# KiCad board DQBSCEEEEEE.kicad_pcb (continued)
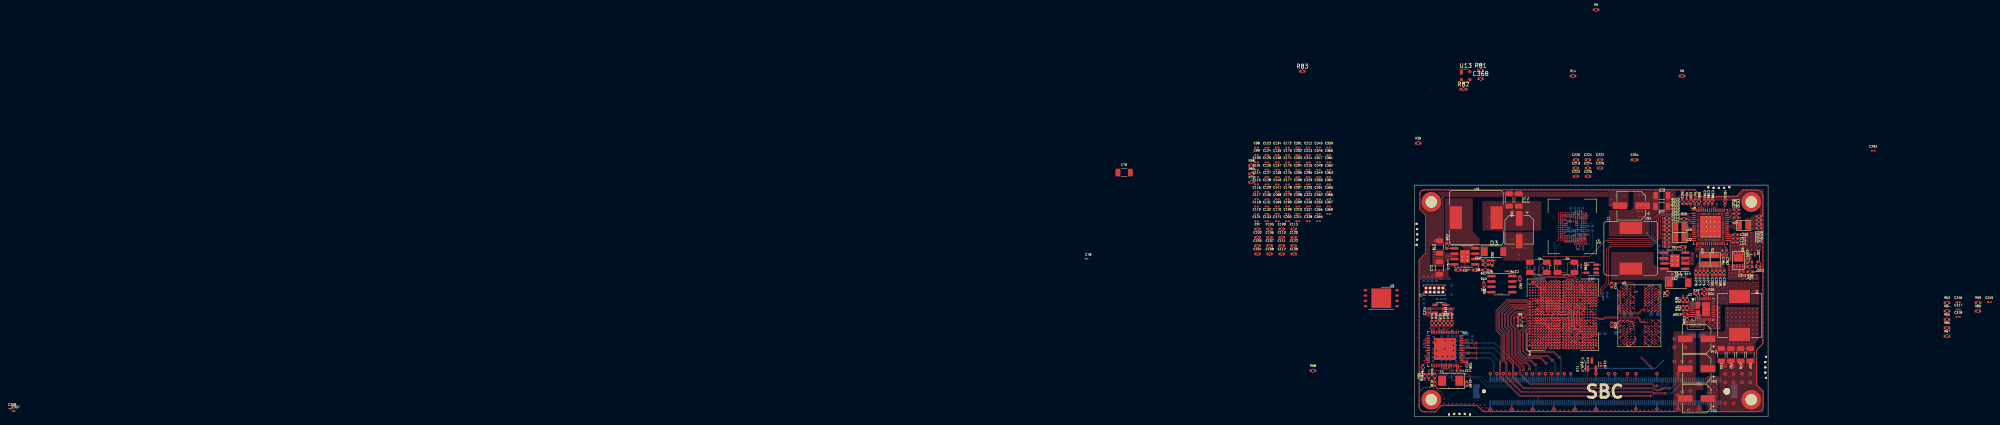
[diagram p0: board, top side]
## Routing (per net, layer and track width the routed paths; a pad name or vN(x,y) marks a point on that pad's centre or on a via; arc(x,y) is an arc through that point) (continued)
  TOP w0.25: U3.U3 v1(50.33,20.06) ; v1(50.25,30.41) 50.33,30.41 U3.B3 ; U3.AA3 v1(50.33,17.46) ; U1.AD21 42.67,29.66 ; U1.AB23 41.37,30.96 ; U1.AC23 42.02,30.96 ; U3.H1 v1(48.73,26.51) ; U8.30 75.77,42.32 C272.1 ; U1.Y12 40.07,23.27 ; U1.AC17 42.02,27.06 ; 40.72,25.76 U1.AA15 40.45,25.49 v1(40.07,25.11) ; U3.AA5 v1(51.93,17.46) ; U1.AB17 41.37,27.06 ; U1.AC14 42.02,25.11 ; U1.AA10 40.72,21.97 ; U1.AB3 41.37,17.42 ; U3.N3 v1(50.33,22.66) ; U3.K1 v1(48.73,25.21) ; U1.Y14 40.07,25.11 ; U3.W1 v1(48.73,18.76) ; U1.AC6 42.02,19.37 ; U1.AB8 41.37,20.67 ; U3.F3 v1(50.33,27.81) ; U3.K3 v1(50.33,25.21) ; U3.N1 v1(48.73,22.66) ; U1.AC20 42.02,29.01 ; U3.AB4 v1(51.13,16.81) ; U3.U10 v1(56.53,20.06) ; U1.AC8 42.02,20.67 ; U3.R5 v1(51.93,21.36) ; U3.R1 v1(48.73,21.36) ; U3.D1 v1(48.73,29.11) ; U1.AC3 42.02,17.42
  BOT w0.25: v3(72.78,36.59) 74.17,36.59 75.08,37.5 v3(75.08,42.32)
  vias: v1(40.07,23.27) v1(40.73,25.76) v1(40.72,21.97) v1(42.02,30.96) v1(42.02,29.01) v1(42.02,27.06) v1(42.02,25.11) v1(42.02,20.67) v1(42.02,17.42) v1(42.68,29.66) v3(70.63,35.39) v3(71.68,35.39) v3(72.78,35.39)
NVCC_ENET_2V5: length 4.8
  TOP w0.1: v3(2.63,17.67) U5.39
  TOP w0.2: U5.22 v3(8.83,20.62) ; U5.44 v3(2.68,15.67) ; U5.58 v3(6.43,11.52) ; U5.28 v3(6.43,20.62)
  TOP w0.25: U1.T18 37.47,27.71
  BOT w0.35: v3(6.43,20.62) 6.45,20.6 C342.1 ; v3(8.83,20.62) 9,20.45 C344.1
  vias: v1(13.48,16.4) v1(14.18,16.98) v1(14.18,16.4) v1(37.48,27.71)
NVCC_SD1_1V8: length 5
  TOP w0.2: v3(39.25,47.03) U4.M4 39.25,47.58 v3(39.15,47.68) 39.25,47.78 U4.N4 ; v3(38.25,43.33) U4.C6 ; U4.P5 v3(38.75,48.83) ; U4.P3 v3(39.75,48.83) ; U1.L23 34.22,30.96 v1(34.33,30.96)
  TOP w0.25: U1.L23 33.68,30.96 ; U1.M23 34.33,30.96
  BOT w0.1: R18.2 38.75,48.89 v3(38.75,48.83)
  BOT w0.2: v3(38.25,43.33) 38.07,43.33 C182.1
  vias: v1(33.68,30.96)
NVCC_SD2: length 0.4
  TOP w0.25: U1.N23 35.52,30.96
  vias: v1(35.52,30.96)
ONOFF: length 5.9
  TOP w0.25: U1.W21 39.42,29.66
  BOT w0.11: v1(39.43,29.66) 39.72,29.37 44.78,29.37 R7.2
PCIE1_REF_CLKM: length 0.4
  TOP w0.25: U1.K24 33.03,31.61
  vias: v1(33.03,31.61)
PCIE1_REF_CLKP: length 0.4
  TOP w0.25: U1.K25 33.03,32.26
  vias: v1(33.03,32.26)
PCIE1_RXM: length 0.4
  TOP w0.25: U1.H24 31.73,31.61
  vias: v1(31.73,31.61)
PCIE1_TXN: length 0.8
  TOP w0.25: U1.E24 29.78,31.61 ; U1.J24 32.38,31.61
  vias: v1(29.78,31.61) v1(32.38,31.61)
PCIE1_TXP: length 0.8
  TOP w0.25: U1.E25 29.78,32.26 ; U1.J25 32.38,32.26
  vias: v1(29.78,32.26) v1(32.38,32.26)
PCIE2_REF_CLKN: length 0.4
  TOP w0.25: U1.F24 30.43,31.61
  vias: v1(30.43,31.61)
PCIE2_REF_CLKP: length 0.4
  TOP w0.25: U1.F25 30.43,32.26
  vias: v1(30.43,32.26)
PCIE2_RXN: length 0.4
  TOP w0.25: U1.D24 29.13,31.61
  vias: v1(29.13,31.61)
PCIE2_RXP: length 1.9
  TOP w0.25: U1.D25 29.13,32.26
  BOT w0.35: J1.B51 v4(43.1,1.8)
  vias: v1(29.13,32.26)
PMIC_nINT: length 26.1
  TOP w0.11: U8.1 66.36,48.29 58.55,48.29 57.4,47.14 57.4,42.64 56.11,41.34 45.86,41.34 45.83,41.31
PMIC_ON_REQ: length 0.4
  TOP w0.25: U1.V20 38.77,29.01
  vias: v1(38.77,29.01)
PMIC_SCL: length 68.1
  TOP w0.11: U8.54 68.08,49.74 67.76,50.06 66.68,50.06 66.58,50.16 R57.2 66.58,50.91 66.43,51.06 66.26,51.06 66.09,51.23 66.09,52.2 65.83,52.46 63.53,52.46 62.88,51.81 62.88,48.96 62.51,48.59 58.46,48.59 56.9,47.04 56.9,42.84 55.91,41.84 45.96,41.84 ; v1(30.65,38.09) 41.65,38.09 45.4,41.84 46.15,41.84
  TOP w0.25: U1.F9 30.43,21.32
  BOT w0.11: v1(30.65,38.09) 29.65,37.09 29.65,33.34 30.14,32.86 30.14,21.85 30.15,21.84 30.15,21.59 30.16,21.59
  vias: v1(30.43,21.32)
PMIC_SDA: length 34.7
  TOP w0.11: 68.01,50.59 R56.2 67.6,50.59 ; 68.01,50.59 68.01,51.89 67.6,52.3 66.7,52.3 66.15,52.85 63.4,52.85 62.58,52.03 62.58,49.11 62.31,48.84 58.36,48.84 56.4,46.89 56.4,42.89 55.86,42.34 46.11,42.34 45.88,42.11 ; 68.01,50.59 68.2,50.39 68.2,49.99 68.58,49.61 U8.53
PMIC_STBY_REQ: length 43.6
  TOP w0.11: 44.5,29.93 46.15,31.59 46.15,39.84 46.65,40.34 56.21,40.34 58.4,42.54 58.4,47.39 58.75,47.74 64.75,47.74 65.67,46.82 U8.4
  TOP w0.25: U1.V21 38.77,29.66
  BOT w0.11: 44.5,29.93 44.47,29.96 39.07,29.96 v1(38.77,29.66)
POR_B: length 46.9
  TOP w0.11: v1(44.83,27.71) 44.83,28.51 44.17,29.17 44.17,30.37 45.65,31.84 45.65,39.84 46.65,40.84 56.21,40.84 57.9,42.54 57.9,47.28 58.67,48.04 64.9,48.04 65.62,47.32 U8.3
  TOP w0.25: U1.W20 39.42,29.01
  BOT w0.11: v1(39.43,29.01) 39.72,28.72 43.97,28.72 44.27,28.42 R8.2 44.83,28.39 v1(44.83,27.71)
QSPIA_CLE: length 0.4
  TOP w0.25: U1.H21 31.73,29.66
  vias: v1(31.73,29.66)
SD1_CMD: length 40.7
  TOP w0.1: U4.M5 v3(38.75,47.03)
  TOP w0.25: U1.L24 33.68,31.61 ; 33.95,31.99 33.68,32.26
  BOT w0.1: 4.14,78.12 3.81,77.79 ; R18.1 37.09,49.09 37.45,48.73 37.45,47.73 37.7,47.48 38.3,47.48 v3(38.75,47.03) 38.75,46.63 38.55,46.43 37.95,46.43 37.15,45.63 37.15,43.81 33.64,40.31 33.64,32.57 33.87,32.34 33.87,31.8 v1(33.68,31.61) ; 35.89,47.83 34.89,47.83 34.65,47.59 34.65,42.59 33.2,41.14 33.2,32.75 v1(33.68,32.26)
SD1_D0: length 0.4
  TOP w0.25: U1.M25 34.33,32.26
  vias: v1(34.33,32.26)
SD1_D1: length 0.4
  TOP w0.25: U1.M24 34.33,31.61
  vias: v1(34.33,31.61)
SD1_D2: length 0.4
  TOP w0.25: U1.N25 35.52,32.26
  vias: v1(35.52,32.26)
SD1_D3: length 0.4
  TOP w0.25: U1.P25 36.17,32.26
  vias: v1(36.18,32.26)
SD1_D4: length 0.4
  TOP w0.25: U1.N24 35.52,31.61
  vias: v1(35.52,31.61)
SD1_D6: length 0.4
  TOP w0.25: U1.R25 36.82,32.26
  vias: v1(36.82,32.26)
SD1_D7: length 0.4
  TOP w0.25: U1.T25 37.47,32.26
  vias: v1(37.48,32.26)
SD1_nRST: length 13.1
  BOT w0.11: R17.2 42.3,40.24 39.66,37.6 39.66,33.58 38.68,32.6
SD1_STROBE: length 4.2
  TOP w0.25: U1.T24 37.47,31.61
  BOT w0.11: R19.1 41.3,43.7 41.65,43.34 41.65,40.59
  vias: v1(37.48,31.61)
SD2_CLK: length 0.4
  TOP w0.25: U1.L22 33.68,30.31
  vias: v1(33.68,30.31)
SD2_CMD: length 0.4
  TOP w0.25: U1.M22 34.33,30.31
  vias: v1(34.33,30.31)
SD2_D0: length 0.4
  TOP w0.25: U1.N22 35.52,30.31
  vias: v1(35.52,30.31)
SD2_D1: length 0.4
  TOP w0.25: U1.N21 35.52,29.66
  vias: v1(35.52,29.66)
SD2_nCD: length 0.4
  TOP w0.25: U1.L21 33.68,29.66
  vias: v1(33.68,29.66)
SD2_WP: length 0.4
  TOP w0.25: U1.M21 34.33,29.66
  vias: v1(34.33,29.66)
SPI1_MISO: length 14.1
  TOP w0.11: U1.B4 v1(27.83,18.07)
  S1 w0.11: 27.83,18.07 22,12.24 22,7.9 21.6,7.5 21.6,6.9
SPI1_MOSI: length 13.9
  TOP w0.11: U1.A4 27.18,18.07
  S1 w0.11: v1(27.18,18.07) 21.7,12.59 21.7,8.1 21.2,7.6 21.2,7
SPI1_SCLK: length 17
  TOP w0.11: U1.D5 29.13,18.72
  TOP w0.25: 28.75,17.69 28.48,17.42 ; 28.1,17.04 27.83,16.77
  S1 w0.11: v1(29.13,18.72) 29.43,18.43 29.43,17.84 29.24,17.66 28.44,17.66 23.5,12.72 23.5,9.2 23.1,8.8 23.1,8.1 22.2,7.2 22.2,6.5
  vias: v1(27.83,16.77) v1(28.48,17.42)
SPI2_MISO: length 14.8
  TOP w0.11: 27.74,18.67 28.07,18.99 U1.B5
  S1 w0.11: 20.24,7.94 20.24,12.04 26.77,18.57 27.65,18.57 27.74,18.67
SPI2_MOSI: length 7.6
  TOP w0.11: U1.E5 29.78,18.72
  TOP w0.25: 30.05,17.69 29.78,17.42 ; 30.05,17.04 29.78,16.77 ; 30.05,18.34 29.78,18.07 ; 30.05,16.39 29.78,16.12
  S1 w0.11: 29.78,17.8 v1(29.78,18.72) 29.78,14.08 29.7,14
  vias: v1(29.78,18.07) v1(29.78,17.42) v1(29.78,16.77) v1(29.78,16.12)
SPI2_SCLK: length 15.8
  TOP w0.11: U1.C5 28.48,18.72
  S1 w0.11: 20.55,7.25 20.55,12.01 26.91,18.37 28.13,18.37 28.48,18.72
SPI2_SSO: length 15.7
  TOP w0.11: U1.A5 27.29,18.99 27.1,18.8
  S1 w0.11: 27.1,18.8 26.5,18.8 19,11.3 19,7.2
TCPC_nINT: length 0.4
  TOP w0.25: U1.F21 30.43,29.66
  vias: v1(30.43,29.66)
UART1_RXD: length 3.8
  TOP w0.11: v1(28.48,20.02) 28.75,20.29 U1.C7
  S1 w0.11: 25.42,20.84 27.56,20.84 28.38,20.02 v1(28.48,20.02)
UART1_TXD: length 17.5
  TOP w0.11: U1.A7 27.11,20.29 26.96,20.14
  S1 w0.11: 26.96,20.14 25.66,20.14 16.9,11.38 16.9,8.1
UART2_RXD: length 12.4
  TOP w0.11: 27.76,19.34 28.07,19.64 U1.B6
  S1 w0.11: 19,11.8 26.3,19.1 27.2,19.1 27.44,19.34 27.76,19.34
UART2_TXD: length 0.4
  TOP w0.11: U1.D6 29.13,19.37
  vias: v1(29.13,19.37)
UART3_RXD: length 16.7
  TOP w0.11: 26.86,19.4 27.21,19.4 U1.A6
  S1 w0.11: 18.6,7.3 18.57,7.33 18.57,11.97 26,19.4 26.86,19.4
UART3_TXD: length 17.7
  TOP w0.11: U1.B7 27.77,19.96 27.2,19.96 27.04,19.8 26.9,19.8
  S1 w0.11: 17.2,8.3 17.2,11.4 25.6,19.8 26.9,19.8
UART4_RXD: length 4.4
  TOP w0.11: U1.C6 28.48,19.37
  S1 w0.11: v1(28.48,19.37) 28.23,19.37 27.16,20.44 25.54,20.44 25.1,20
UART4_TXD: length 5.6
  TOP w0.11: U1.D7 29.13,20.02
  S1 w0.11: v1(29.13,20.02) 28.84,19.73 28.36,19.73 27.45,20.64 25.5,20.64
  BOT w0.11: J1.B20 27.6,4.39
USB1_DN: length 23.8
  TOP w0.1: v1(26.12,11.03) 26.02,11.13 26.02,11.91 23.27,14.66 23.27,20.71 22.37,21.61 22.37,24.06 23.68,25.37 26.19,25.37 26.97,24.59 27.23,24.59 27.27,24.55 27.64,24.55 27.68,24.59 27.85,24.59 U1.B14
  BOT w0.1: 26.14,8.61 26.14,9.29 arc(26.05,9.43) 26.02,9.59 26.02,10.93 v1(26.12,11.03)
USB1_DP: length 23.4
  TOP w0.1: U1.A14 27.07,24.84 26.3,25.62 23.58,25.62 22.12,24.16 22.12,21.51 23.02,20.61 23.02,14.56 25.77,11.81 25.77,11.13 v1(25.67,11.03)
  BOT w0.1: v1(25.67,11.03) 25.77,10.93 25.77,9.58 arc(25.74,9.42) 25.64,9.28 25.64,8.61
USB1_ID1: length 2.8
  TOP w0.25: U1.C14 28.48,25.11
  BOT w0.1: 30.48,11.04 30.48,9.68 arc(30.51,9.51) 30.6,9.38 J1.A26
  vias: v1(28.48,25.11)
USB1_RX_N: length 23.4
  TOP w0.1: U1.B12 27.85,23.29 27.68,23.29 27.64,23.25 27.27,23.25 27.23,23.29 26.73,23.29 25.85,24.17 24.55,24.17 23.73,23.35 23.73,22.21 24.62,21.31 24.62,15.06 26.25,13.44 27.7,13.44 28.71,12.42 v1(28.85,12.42)
  TOP w0.25: 42.4,27.44 42.67,27.71
  BOT w0.1: v1(28.85,12.42) 28.85,12.28 28.98,12.16 28.98,9.68 arc(29.01,9.51) 29.1,9.38 J1.A23
  vias: v1(42.68,27.71)
USB1_RX_P: length 22.6
  TOP w0.1: v1(28.53,12.1) 28.53,12.24 27.59,13.19 26.14,13.19 24.37,14.96 24.37,21.21 23.48,22.1 23.48,23.45 24.45,24.42 25.95,24.42 26.83,23.54 U1.A12
  BOT w0.1: J1.A22 28.6,9.37 arc(28.69,9.51) 28.73,9.67 28.73,12.05 28.68,12.1 v1(28.53,12.1)
USB1_SS_SEL: length 0.4
  TOP w0.25: U1.K19 33.03,28.36
  vias: v1(33.03,28.36)
USB1_TX_N: length 23.4
  TOP w0.1: v1(27.58,11.26) 27.48,11.36 27.48,12.06 26.7,12.84 26,12.84 23.97,14.86 23.97,21.01 23.02,21.96 23.02,23.66 24.13,24.77 25.95,24.77 26.78,23.94 27.23,23.94 27.27,23.9 27.64,23.9 27.68,23.94 27.85,23.94 U1.B13
  BOT w0.1: v1(27.58,11.26) 27.48,11.16 27.48,9.68 arc(27.51,9.51) 27.6,9.38 J1.A20
USB1_TX_P: length 23
  TOP w0.1: v1(27.12,11.26) 27.23,11.36 27.23,11.95 26.59,12.59 25.89,12.59 23.72,14.76 23.72,20.91 22.77,21.86 22.77,23.76 24.03,25.02 26.05,25.02 26.88,24.19 U1.A13
  BOT w0.1: v1(27.12,11.26) 27.23,11.16 27.23,9.67 arc(27.19,9.51) 27.1,9.37 J1.A19
USB1_VBUS: length 3.1
  TOP w0.25: U1.D14 29.13,25.11 ; U1.D9 29.13,21.32
  BOT w0.1: 30.23,11.04 30.23,9.67 arc(30.19,9.51) 30.1,9.37 J1.A25
  vias: v1(29.13,25.11) v1(29.13,21.32)
USB2_DN: length 16.1
  TOP w0.1: v1(31.5,12.72) 31.36,12.72 30.1,13.99 26.5,13.99 25.22,15.26 25.22,20.26 26.95,21.99 27.23,21.99 27.27,21.95 27.64,21.95 27.68,21.99 27.85,21.99 U1.B10
USB2_DP: length 18.3
  TOP w0.1: v1(31.18,12.4) 31.18,12.54 29.99,13.74 26.39,13.74 24.97,15.16 24.97,20.36 26.85,22.24 U1.A10
  BOT w0.1: J1.A28 31.6,9.37 arc(31.69,9.51) 31.73,9.67 31.73,11.04
USB2_ID1: length 2.8
  TOP w0.25: U1.C9 28.48,21.32
  BOT w0.1: J1.A29 32.1,9.38 arc(32.01,9.51) 31.98,9.68 31.98,11.04
  vias: v1(28.48,21.32)
USB2_RX_N: length 24.4
  TOP w0.1: U1.B8 27.93,20.94 27.64,20.65 27.27,20.65 27.23,20.69 27.1,20.69 26.57,20.16 26.57,16.21 27.4,15.39 33.25,15.39 34.46,14.17 v1(34.6,14.17) ; 53.85,14.22 56.69,11.39
  BOT w0.1: J1.A35 35.1,9.38 arc(35.01,9.51) 34.98,9.68 34.98,13.66 34.6,14.03 v1(34.6,14.17)
USB2_RX_P: length 23.9
  TOP w0.1: v1(34.28,13.85) 34.28,13.99 33.14,15.14 27.29,15.14 26.32,16.11 26.32,20.26 27,20.94 U1.A8 ; 53.75,13.97 56.51,11.21
  BOT w0.1: v1(34.28,13.85) 34.43,13.85 34.73,13.55 34.73,9.67 arc(34.69,9.51) 34.6,9.37 J1.A34
USB2_TX_N: length 20.3
  TOP w0.1: v1(32.97,13.45) 32.83,13.45 31.7,14.59 27,14.59 25.92,15.66 25.92,20.15 27.11,21.34 27.23,21.34 27.27,21.3 27.64,21.3 27.93,21.59 U1.B9
  BOT w0.1: v1(32.97,13.45) 32.97,13.31 33.48,12.81 33.48,9.68 arc(33.51,9.51) 33.6,9.38 J1.A32
USB2_TX_P: length 19.9
  TOP w0.1: v1(32.66,13.13) 32.66,13.27 31.59,14.34 26.89,14.34 25.67,15.56 25.67,20.26 27.01,21.59 U1.A9
  BOT w0.1: J1.A31 33.1,9.37 arc(33.19,9.51) 33.23,9.67 33.23,12.7 32.8,13.13 v1(32.66,13.13)
Net-(C60-Pad1): length 1.1
  TOP w0.25: C60.1 18.3,36.1 R20.1
Net-(C64-Pad1): length 1.1
  BOT w0.3: R33.1 60.1,38.4 C64.1
Net-(C191-Pad1): length 2.8
  TOP w0.1: 4.82,9.23 4.83,9.21 C191.1 6.32,8.26 Y1.2
Net-(D1-K):
  vias: v3(5.9,32.9)
Net-(Q2-D): length 1.2
  TOP w0.2: R36.2 80.18,35.62 Q2.1
Net-(Q2-G): length 4.4
  TOP w0.2: R37.2 81.63,34.41 82.16,34.94 C322.1 82.16,36.53 81.91,36.77 Q2.2
Net-(U1A-MIPI_VDD1): length 0.8
  TOP w0.25: U1.F15 30.43,25.76 ; U1.E15 29.78,25.76
  vias: v1(29.78,25.76) v1(30.43,25.76)
Net-(U1H-TEST_MODE): length 6.4
  TOP w0.11: U1.V7 v1(38.2,19.99)
  BOT w0.11: v1(38.2,19.99) 38.51,19.69 44.09,19.69 R4.1
Net-(U1K-PCIE1_RESREF): length 2.3
  TOP w0.25: U1.G25 31.08,32.26
  BOT w0.1: v1(31.08,32.26) 31.08,32.62 30.5,33.19 R2.1
Net-(U1K-PCIE2_RESREF): length 2.1
  TOP w0.25: U1.C25 28.48,32.26
  BOT w0.1: v1(28.48,32.26) 28.48,33.96 R3.1
Net-(U1M-USB1_RESREF): length 2.1
  TOP w0.11: U1.A11 26.7,22.89 26.1,23.49 R9.2
Net-(U1M-USB2_RESREF): length 2.7
  TOP w0.11: R10.2 25.71,22.59 27.8,22.59 U1.B11
Net-(U2-AGND): length 1.4
  TOP w0.2: U2.30 67.78,28.93 R29.2
Net-(U2-BST): length 1.4
  TOP w0.2: U2.8 65.08,23.77 C308.1
Net-(U2-FB): length 2.3
  TOP w0.2: R28.1 R27.1 64.84,27.27 U2.1
Net-(U2-FBL): length 2.3
  TOP w0.2: R31.1 R32.1 64.76,25.27 U2.5
Net-(U2-ILIM): length 1.3
  TOP w0.2: R30.1 69.28,29.19 U2.27
Net-(U2-LX): length 1.5
  TOP w0.2: U2.28 68.78,28.79 R30.2
Net-(U2-LX)_1: length 8
  TOP w0.2: U2.13 68.78,20.87 68.58,20.67 64.98,20.67 64.78,20.87 C308.2
  vias: v3(70.43,31.87) v3(70.43,30.87) v3(70.43,29.87) v3(72.43,31.87) v3(72.43,30.87) v3(72.43,29.87) v3(74.43,31.87) v3(74.43,30.87) v3(74.43,29.87) v3(76.43,31.87) v3(76.43,30.87) v3(78.43,31.87) v3(78.43,30.87) v3(80.43,31.87) v3(80.43,30.87) v3(80.43,29.87) v3(81.7,31.87) v3(81.7,30.87) v3(81.7,29.87)
Net-(U2-LX)_2:
  vias: v3(68.53,26.82) v3(68.53,26.07) v3(68.53,24.97) v3(68.53,24.17) v3(69.23,26.82) v3(69.23,26.07) v3(69.23,24.97) v3(69.23,24.17) v3(69.93,26.77) v3(69.93,26.02) v3(69.93,24.92) v3(69.93,24.12) v3(76.43,29.87) v3(78.43,29.87)
Net-(U2-PGOOD): length 2.4
  TOP w0.2: R26.2 69.34,30.18 69.8,29.72 69.8,27.98 U2.26
Net-(U2-SS): length 1.3
  TOP w0.2: U2.7 64.91,24.27 C309.1
Net-(U2-TON): length 1.6
  TOP w0.2: U2.31 67.28,28.41 R29.1
Net-(U2-VDD): length 2.3
  TOP w0.2: U2.3 64.76,26.27 R32.2 R31.2
Net-(U3A-ODT_CA_B): length 3.3
  TOP w0.11: U3.T2 49.52,20.7 48.5,20.7 47.89,21.31 R13.1
Net-(U3A-ZQ0): length 6.2
  TOP w0.11: R12.1 51.89,31.78 52.23,31.44 U3.A5
Net-(U4-CLK): length 2.3
  TOP w0.1: U4.M6 v3(38.25,47.03)
  BOT w0.1: R16.1 36.91,47.37 37.05,47.23 37.65,47.23 37.85,47.03 v3(38.25,47.03)
Net-(U4-NRST): length 5.3
  TOP w0.1: U4.K5 v3(38.3,45.98)
  BOT w0.1: R17.1 42.3,45.78 42.1,45.98 v3(38.3,45.98)
Net-(U4-RCLK): length 3.7
  TOP w0.2: U4.H5 v3(38.3,45.43)
  BOT w0.1: R19.2 40.5,45.24 40.15,45.59 38.97,45.59 38.81,45.43 v3(38.3,45.43)
Net-(U4-VDDI): length 2.7
  TOP w0.1: U4.C2 40.5,43.18 v3(41.13,43.18)
  BOT w0.2: C244.1 40.43,43.21 C243.1 40.45,43.18 v3(41.13,43.18)
Net-(U5-REF_FILT): length 1.2
  TOP w0.2: C327.2 10.03,10.94 U5.67
Net-(U5-REF_REXT): length 1.3
  TOP w0.2: R38.1 11.96,12.93 11.9,12.87 U5.1
Net-(U5-REFCLK_SEL_0): length 1.8
  TOP w0.11: U5.62 v3(8.03,11.42)
  BOT w0.11: R47.1 8.48,11.87 v3(8.03,11.42)
Net-(U5-REFCLK_SEL_1): length 2.2
  TOP w0.11: U5.61 v3(7.63,11.17)
  BOT w0.11: R48.1 7.48,11.77 7.63,11.62 v3(7.63,11.17)
Net-(U5-RX_CLK): length 2
  TOP w0.11: R45.2 4.83,21.01 U5.32
Net-(U5-RX_DV/RX_CTL): length 1.9
  TOP w0.11: R46.2 5.1,21.5 5.63,20.97 U5.30
Net-(U5-RXD0): length 1.7
  TOP w0.11: R41.2 6.03,21.67 U5.29
Net-(U5-RXD1): length 1.7
  TOP w0.11: U5.27 6.83,21.52 R42.2
Net-(U5-RXD2): length 2
  TOP w0.11: U5.26 7.23,20.97 R43.2
Net-(U5-RXD3): length 2.3
  TOP w0.11: U5.25 7.63,20.63 7.95,20.95 8.16,20.95 R44.2
Net-(U5-TX_EN/TX_CTL): length 1.6
  TOP w0.11: v1(3.7,21.05) 4.06,21.05 4.43,20.68 U5.33
Net-(U5-TXD0): length 0.8
  TOP w0.25: 36.55,31.34 36.82,31.61 ; 35.9,31.34 36.17,31.61
  vias: v1(36.18,31.61) v1(36.82,31.61)
Net-(U5-TXD3): length 1.8
  TOP w0.1: v3(2.23,16.47) U5.42
  TOP w0.25: 31.35,28.09 31.08,28.36 ; 32,28.09 31.73,28.36
  vias: v1(31.08,28.36) v1(31.73,28.36)
Net-(U8B-VHALF): length 2.7
  TOP w0.25: C273.1 76.75,41.36 C272.2 75.29,41.36 74.82,41.82 U8.29
Net-(U8B-VIN3): length 2.2
  TOP w0.2: U8.40 74.83,47.32 75.3,47.79 75.3,48.09 75.43,48.22 C270.2
Net-(U8C-ICTEST): length 2.1
  TOP w0.25: U8.5 65.58,46.32 64.93,46.97 R25.2
Net-(U9-BOOT): length 1.8
  TOP w0.2: U9.1 7.68,39.98 C58.2
Net-(U9-COMP): length 3
  TOP w0.25: U9.6 15.96,37.44 C59.2 R20.2
Net-(U9-SS): length 1.5
  TOP w0.25: U9.4 9.5,35.6 9.83,35.27 C57.1
Net-(U9-VSNS): length 3.1
  TOP w0.25: U9.5 15.2,36.17 R22.1 R21.2
Net-(U10-BOOT): length 2.8
  TOP w0.1: U10.1 64.32,34.47 63.63,33.77 C62.2
Net-(U10-COMP): length 3.4
  TOP w0.3: v1(58.16,37.66) U10.6
  BOT w0.3: v1(58.16,37.66) 58.16,37.64 58.6,37.2 R33.2 60.1,37.2 C63.1
Net-(U10-SS): length 1.4
  TOP w0.25: C61.1 64.35,38.95 U10.4
Net-(U10-VSNS): length 1.2
  TOP w0.3: v1(58.13,38.93) U10.5
Net-(U26-~{HOLD}): length 1.9
  TOP w0.1: U26.7 23.37,32.24 R62.2
Net-(U26-~{WP}): length 1.8
  TOP w0.1: U26.3 R61.1
unconnected-(J1-SER0_RX_(**)): length 1.1
  BOT w0.11: J1.A99 67.1,7.95 66.85,7.7
unconnected-(J1-SER1_TX_(**)): length 1.9
  BOT w0.11: 68,7 68.3,7.3 68.3,8.5 J1.A101
unconnected-(J1-VCC_RTC): length 67.1
  S1 w0.25: v1(75.1,48.95) 74.1,47.95 74.1,41.45 73.3,40.65 72.15,40.65 71.25,39.75 71.25,35.45 70.25,34.45 65.1,34.45 59.15,28.5 v1(59.15,13.35)
  BOT w0.25: J1.A47 41.1,10.8 41.75,11.45 57.25,11.45 v1(59.15,13.35)
unconnected-(U1I-MIPI_CSI1_D0_P): length 0.4
  TOP w0.25: 30.7,28.74 30.43,29.01
unconnected-(U1J-HDMI_AUX_N): length 0.4
  TOP w0.25: U1.V2 38.77,16.77
  vias: v1(38.77,16.77)
unconnected-(U1J-HDMI_AUX_P): length 0.4
  TOP w0.25: U1.V1 38.77,16.12
unconnected-(U1J-HDMI_CEC): length 0.4
  TOP w0.25: U1.W3 39.42,17.42
  vias: v1(39.42,17.42)
unconnected-(U1J-HDMI_HPD): length 0.4
  TOP w0.25: U1.W2 39.42,16.77
  vias: v1(39.42,16.77)
unconnected-(U1J-HDMI_REXT): length 0.4
  TOP w0.25: U1.P1 36.17,16.12

## Copper pours and planes (outline as drawn; the poured copper is in the pictures)
3.3V_SW on TOP: 81.78,18.32 80.78,17.07 80.78,14.82 71.53,14.77 71.53,10.37 67.78,10.37 67.78,20.27 73.53,20.27 73.78,20.57 73.78,26.07 81.78,26.07
3.3V_SW on TOP: 77.5,33.84 81.9,33.84 81.9,32.39 74.4,32.39 74.4,36.2 77.5,36.2
3.3V_SW on TOP: 70.23,48.44 72.43,48.44 72.43,49.44 72.73,49.44 72.73,48.44 73.73,48.44 73.73,45.99 74.73,45.99 74.73,45.69 73.73,45.69 73.73,44.49 74.73,44.49 74.73,44.19 73.73,44.19 73.73,41.69 73.23,41.69 73.23,40.69 72.93,40.69 72.93,41.69 71.73,41.69 71.73,40.69 70.93,40.69 70.93,41.74 69.73,41.74 69.73,40.69 69.43,40.69 69.43,41.74 68.23,41.74 68.23,40.69 67.93,40.69 67.93,41.74 66.98,41.74 66.98,42.69 65.93,42.69 65.93,42.99 66.98,42.99 66.98,43.69 65.93,43.69 65.93,43.99 66.98,43.99 66.98,45.19 65.93,45.19 65.93,45.49 66.98,45.49 66.98,48.44 69.93,48.44 69.93,49.44 70.23,49.44
3.3V_SW on BOT: 73.33,47.84 68.03,47.84 68.03,48.59 73.33,48.59
3.3V_SW on BOT: 73.68,43.34 72.98,43.34 72.98,46.79 73.68,46.79
3.3V_SW on BOT: 67.68,42.29 72.98,42.29 72.98,42.84 73.53,42.84 73.53,41.44 66.83,41.44 66.83,45.99 67.68,45.99
3.3V_SW on PW1: 83.13,14.67 73.13,14.67 73.13,26.87 83.13,26.87
3.3V_SW_DELAYED on TOP: 66.5,36 63.3,36 63.3,38 65.3,38 65.6,38.3 65.6,39.1 66.5,39.1
3.3V_SW_DELAYED on TOP: 9.22,25 6.27,25 6.27,23.75 9.22,23.75
3.3V_SW_DELAYED on TOP: 82.3,39.39 80.2,39.39 80.2,37.39 79.2,37.39 79.2,37.09 78.2,37.09 78.2,36.84 74.8,36.84 74.8,40.94 77.8,40.94 77.8,43.89 82.3,43.89
3.3V_SW_DELAYED on TOP: 7.08,39.37 7.08,39.12 7.18,39.02 10.48,39.02 10.48,37.12 7.58,37.12 7.23,36.77 7.23,35.87 6.93,35.57 4.23,35.57 4.23,39.72 6.73,39.72
3.3V_SW_DELAYED on PW1: 84.03,0.02 0.03,0.02 0.03,55.02 84.03,55.02
/IO/VDD1A on TOP, BOT: 10.62,15.22 11.43,15.22 12.05,14.6 12.05,14.12 11.43,14.12 11.43,14.45 11.18,14.7 10.62,14.7
/IO/VDD1A on BOT: 10.6,17.6 14.25,17.6 14.25,18.55 10.6,18.55
/IO/VDD1A on BOT: 9.59,12.7 9.59,11.3 10.9,11.3 10.9,12.7
/IO/VDDMDIO on BOT: 3.73,12.8 3.73,14.44 2.15,14.44 2.15,12.8
GND on TOP: 7.05,40.55 3.75,40.55 3.75,35.1 7.75,35.1 7.75,36.92 8.09,36.92 8.09,32.5 0.1,32.5 0.1,37.17 2.18,39.25 2.18,48.06 1.1,49.26 1.1,54.1 7.05,54.1
GND on TOP: 15.5,39 10.9,39 10.9,34.5 14.2,34.5 14.2,35.4 13.1,35.4 13.1,38.4 15.5,38.4
GND on TOP: 2.45,25.3 9.6,25.3 9.6,26.05 2.45,26.05
GND on TOP: 83.38,44.39 81.98,44.39 81.98,53.74 83.38,53.74
GND on TOP: 74.54,37.72 72.84,37.72 72.84,38.82 74.54,38.82
GND on TOP: 58.73,43.69 59.78,43.69 59.78,40.14 58.73,40.14
GND on TOP: 28.28,37.02 21.08,37.02 21.08,43.82 28.28,43.82
GND on TOP: 83.43,0.72 72.43,0.72 72.43,13.87 83.43,13.87
GND on TOP: 83.08,54.34 83.08,51.29 68.53,51.29 68.53,54.34
GND on TOP: 66.85,8.45 68.65,8.45 68.65,6.25 66.85,6.25 66.85,2.65 68.45,2.65 68.45,0.85 61.45,0.85 61.45,20.25 66.85,20.25
GND on TOP: 70.38,32.94 70.38,33.99 73.93,33.99 73.93,32.94
GND on TOP: 66.44,32.97 66.44,34.02 69.99,34.02 69.99,32.97
GND on TOP: 67.83,27.12 67.83,25.72 67.73,25.62 65.18,25.62 65.18,25.92 66.48,25.92 66.83,26.27 66.83,27.12 66.93,27.22 67.73,27.22
GND on TOP: 62.08,49.02 59.08,49.02 59.08,54.02 62.08,54.02
GND on TOP: 50.88,49.82 46.13,49.82 46.13,53.82 50.88,53.82
GND on TOP: 58.73,47.54 59.78,47.54 59.78,43.99 58.73,43.99
GND on TOP: 46.63,52.17 1.13,52.17 1.13,54.12 46.63,54.12
GND on TOP: 72.73,20.62 69.63,20.62 69.63,23.52 70.53,23.52 70.53,26.42 72.73,26.42
GND on BOT: 41.5,46.52 40.43,46.52 40.43,48.6 41.5,48.6
GND on BOT: 10.25,12.97 4.03,12.97 4.08,19.42 10.25,19.42
GND on BOT: 62.6,0.9 0.6,0.9 0.6,10.7 1.6,10.7 1.6,8.5 2.4,7.7 5.1,7.7 5.7,7.1 13.22,7.1 13.22,3.7 16.1,3.7 17.62,2.17 62.6,2.17
GND on BOT: 61.6,51.5 63.2,53.1 66.4,53.1 66.9,52.6 67.4,52.6 68.1,51.9 68.88,51.9 68.88,52.5 67.08,54.3 61.6,54.3
GND on GND1: 84,0 0,0 0,55 84,55
VBAT on TOP: 76.24,48.82 75.64,48.82 74.99,48.17 73.84,48.17 73.84,48.47 74.27,48.47 74.69,49.52 76.24,49.52
VDD_1V on TOP: 2.52,25 2.52,23.75 5.65,23.75 5.65,25
VDD_1V on BOT: 2.35,25.05 2.35,19.6 10.6,19.6 10.6,18.8 13.15,18.8 13.15,25.05
VDD_1V8 on TOP, BOT: 67.48,36.87 66.43,35.12 66.43,34.32 70.03,34.32 70.03,36.87
VDD_1V8 on PW2: 70.7,29.1 59.25,29.1 59.25,18.9 47.6,18.9 47.6,38.2 70.7,38.2
VDD_3V3 on TOP: 24.22,33.07 22.27,33.07 22.27,34.72 24.22,34.72
VDD_3V3 on PW1: 32.65,43.12 30.15,43.12 30.15,44.92 32.65,44.92
VDD_ARM_0V9 on TOP: 30.13,44.17 16.13,44.17 16.13,51.17 30.13,51.17
VDD_ARM_0V9 on BOT: 5.41,71.59 1.01,71.59 1.01,72.86 4.71,72.86 4.71,73.14 5.41,73.14
VDD_DRAM_0V9 on TOP: 81.63,44.39 78.58,44.39 78.58,47.09 79.53,47.09 80.58,47.94 81.63,47.94
VDD_GPU_0V9 on TOP: 62.68,43.94 60.13,43.94 60.13,47.49 61.08,47.49 61.48,46.64 62.68,46.64
VDD_GPU_0V9 on PW2: 79.7,11.7 69.5,11.7 69.5,3 29.2,3 29.2,23.25 36.1,23.25 36.1,16.85 59.35,16.85 59.35,28.3 71.75,28.3 71.75,39.05 59.35,39.05 59.35,47.7 79.7,47.7
VDD_PHY_0V9 on TOP: 68.73,40.39 67.45,39.12 66.62,39.12 66.62,40.2 67.32,40.2 67.52,40.6 68.33,40.6 68.43,40.72 68.43,41.57 68.73,41.57
VDD_PHY_0V9 on PW1: 66.45,41.7 69.35,41.7 69.35,38.6 54.15,38.6 54.15,41.7 37.4,41.7 37.4,48.1 32.2,48.1 32.2,19.55 39.3,19.55 39.3,13.85 25.45,13.85 25.45,50.4 66.45,50.4
VDD_PHY_1V8 on TOP: 72.74,40.67 73.54,39.87 73.54,39.12 72.79,39.12 72.79,39.92 72.44,40.27 72.44,41.57 72.74,41.57
VDD_PHY_3V3 on TOP: 76.24,46.92 75.84,46.92 75.59,46.67 73.84,46.67 73.84,46.97 74.89,46.97 75.54,47.62 76.24,47.62
VDD_SNVS_0V9 on TOP: 74.08,50.02 73.73,49.67 73.73,48.57 73.43,48.57 73.43,50.92 74.08,50.92
VDD_SOC_0V9 on TOP: 58.4,49.3 55.9,46.8 55.9,42.8 46.18,42.8 46.18,49.07 51.38,49.07 51.98,49.67 52,53.5 58.4,53.5
VDD_VPU_0V9 on TOP: 62.68,41.14 60.93,40.09 60.13,40.09 60.13,43.69 62.68,43.69
VDDA_1V8 on TOP: 73.74,40.67 74.54,39.87 74.54,39.12 73.74,39.12 73.74,39.87 73.44,40.17 73.44,41.57 73.74,41.57
VDDA_1V8 on PW1: 39.83,23.05 41.03,23.05 41.03,22.22 32.43,22.22 32.43,25.47 33.4,25.47 33.4,24.6 35.25,24.6 35.25,28.57 36.23,28.57 36.23,33.05 39.83,32.95
